# Altium PCB trackerPCB.PcbDoc (continued)
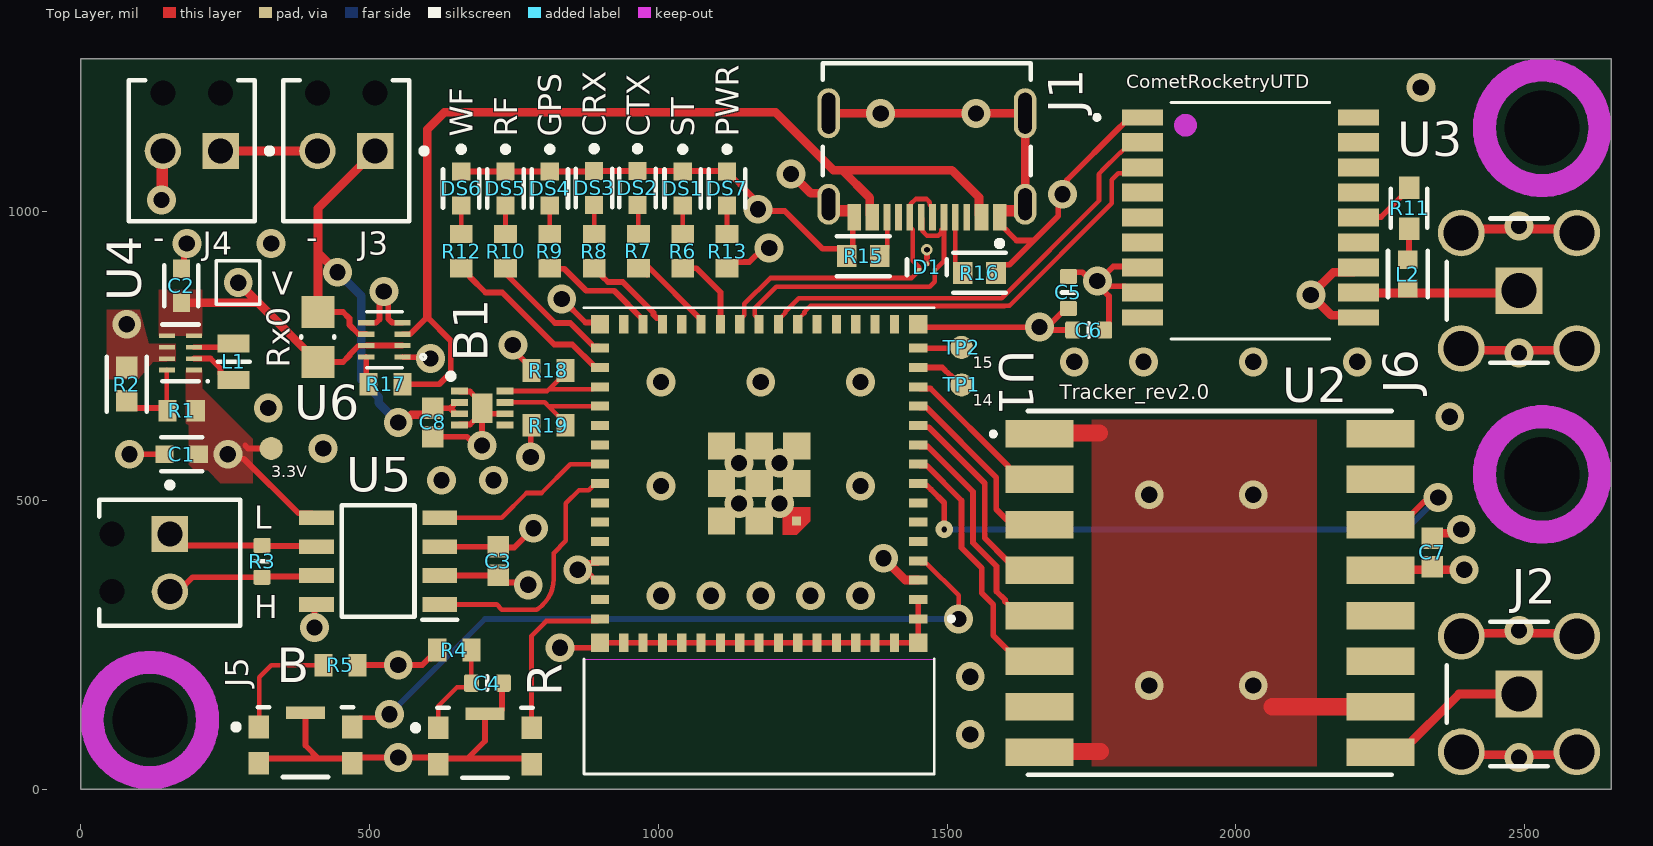
[diagram p0: Top Layer view]
## Footprints (in the part's own frame and the unit in brackets; to place one, negate y for a bottom-side part, rotate by r counter-clockwise, add the part's x,y. Pads: shape width x height; smd on the part's side, far side on the other; paste and mask are expansions set on the pad) (continued)
  rect 0.4x0.8 smd: 16(-5.95,-7) 17(-5.1,-7) 18(-4.25,-7) 19(-3.4,-7) 20(-2.55,-7) 21(-1.7,-7) 22(-0.85,-7) 23(0,-7) 24(0.85,-7) 25(1.7,-7) 26(2.55,-7) 27(3.4,-7) 28(4.25,-7) 29(5.1,-7) 30(5.95,-7) 46(5.95,7) 47(5.1,7) 48(4.25,7) 49(3.4,7) 50(2.55,7) 51(1.7,7) 52(0.85,7) 53(0,7) 54(-0.85,7) 55(-1.7,7) 56(-2.55,7) 57(-3.4,7) 58(-4.25,7) 59(-5.1,7) 60(-5.95,7)
  rect 1.2x1.2 smd: 61(0,0) 61_2(0,1.65) 61_3(1.65,1.65) 61_4(1.65,0) 61_5(1.65,-1.65) 61_6(0,-1.65) 61_7(-1.65,-1.65) 61_8(-1.65,0)
  rect 0.4x0.4 smd paste-1 mask+0: 61_1(-1.65,1.65)
  rect 0.8x0.8 smd: 62(-7,7) 63(-7,-7) 64(7,-7) 65(7,7)
  Top Layer region: -1.05,1.05 -2.25,1.05 -2.25,1.65 -1.65,2.25 -1.05,2.25
  Keep-Out Layer region: 7.7,7.725 -7.7,7.725 -7.7,12.775 7.7,12.775
  Keep-Out Layer region: 7.7,7.725 -7.7,7.725 -7.7,12.775 7.7,12.775
  silkscreen extent -8.55,-7.73 7.7,12.78, body extent -7.7,-7.71 7.7,12.79, height 2.55
XCVR_MAX-M10S-00B [mm]
  rect 1.8x0.7 smd paste-2: 1(-4.75,4.4) 9(-4.75,-4.4) 10(4.75,-4.4) 18(4.75,4.4)
  rect 1.8x0.8 smd paste-2: 2(-4.75,3.3) 3(-4.75,2.2) 4(-4.75,1.1) 5(-4.75,0) 6(-4.75,-1.1) 7(-4.75,-2.2) 8(-4.75,-3.3) 11(4.75,-3.3) 12(4.75,-2.2) 13(4.75,-1.1) 14(4.75,0) 15(4.75,1.1) 16(4.75,2.2) 17(4.75,3.3)
  Keep-Out Layer circle w0.5: c-2.85,4.05 r0.25
  silkscreen extent -6.85,-5.35 3.49,5.05, body extent -4.85,-5.35 4.85,5.05, height 2.7

## Part data
B R: library part CMP-2000-06516-3, "SWITCH TACTILE SPST-NO 0.05A 32V", Case/Package=SMD/SMT, Contact Current Rating=50mA, Contact Resistance=100mR, Insulation Resistance=1GR, Max Operating Temperature=85°C, Max Voltage Rating (DC)=32V, Min Operating Temperature=-40°C, Operating Force=3N, Package Quantity=7000, Power Rating=1W, Actuator Length=0.5mm, Actuator Type=Standard, Contact Material=Silver, Contact Plating=Silver, Current Rating=50mA, Depth=4.6mm, Illumination Type=Non-Illuminated, Lead Free="Lead Free", Length=4.6mm, Max Current Rating=50mA, Mechanical Life=150000Cycles, Mount="Surface Mount", Orientation=Straight, Packaging="Cut Tape", Radiation Hardening=No, REACH SVHC="No SVHC", Series=KMR2, Switch Function=Off-Mom, Switch Travel=0.25mm, Termination="Gull Wing", Throw Configuration=SPST, Voltage Rating (DC)=32V, Width=2.8mm
B1: library part CMP-013-000000-1, "3A 1-Cell/2-Cell Fuel Gauge with ModelGauge", Manufacturer_Name="Analog Devices", Mouser Part Number=700-MAX17048G+T10, Arrow Part Number=MAX17048G+T10, Arrow Price/Stock=https://www.arrow.com/en/products/max17048gt10/analog-devices?utm_currency=USD&region=nac, Datasheet Link=https://www.analog.com/MAX17048/datasheet, Design Item ID=MAX17048G+T10, Geometry.Height=0.8mm, Manufacturer_Part_Number=MAX17048G+T10, Mouser Price/Stock=https://www.mouser.co.uk/ProductDetail/Analog-Devices-Maxim-Integrated/MAX17048G%2bT10?qs=D7PJwyCwLAoGnnn8jEPRBQ%3D%3D, Source=MAX17048G+T10.SchLib
C1 C2: library part CMP-04427-000093-1, "CAP CER 47UF 6.3V X5R 0603 / 06036D476MAT2A", Capacitance=47uF, Case Code (Imperial)=0603, Case Code (Metric)=1608, Max Operating Temperature=85°C, Min Operating Temperature=-55°C, Tolerance=20%, Voltage Rating=6.3V, Case/Package=0603, Mount="Surface Mount", Packaging="Tape and Reel", RoHS Compliant=Yes
C3 C7 C8: library part CMP-001-00017-6, "Chip Capacitor, 100 nF, +/- 10%, 50 V, 0603 (1608 Metric)", Capacitor Type=Ceramic, Case/Package=0603, Max Operating Temperature=125°C, Min Operating Temperature=-55°C, Tolerance=10%, Voltage Rating=50V, Mounting Technology=SM, Pins=2, RoHS Compliant=True
C4 C5 C6: library part CMP-001-00075-4, "Chip Capacitor, 10µF +/-20%, 10V, 0603, Thickness 1 mm", Case/Package=0603, Max Operating Temperature=85°C, Min Operating Temperature=-55°C, Tolerance=10%, Voltage Rating=10V, Mounting Technology=SMT, Pins=2
D1: library part CMP-04989-000013-1, "TVS DIODE 3.6V 8.4V 3X2SON", Average Rectified Current=10A, Case/Package=TO-220-3, Clamping Voltage=8.4V, Max Operating Temperature=125°C, Max Reverse Voltage (DC)=100V, Min Breakdown Voltage=5.1V, Min Operating Temperature=-40°C, Peak Pulse Current=2.5A, Peak Pulse Power=20W, Power Line Protection=No, Resistor Type=Zener, Reverse Standoff Voltage=3.6V, Element Configuration="Common Cathode", Interface=USB, Mount="Through Hole", Number of Bidirectional Channels=2, Number of Channels=2, Number of Pins=3, Packaging=Rail/Tube, RoHS Compliant=Yes
DS1 DS2 DS3 DS4 DS5 DS6 DS7: library part CMP-007-00037-1, "Single Color LED, Yellow, Water Clear, 1.15mm", Case/Package=0603, Forward Current=30mA, Forward Voltage=2V, Max Operating Temperature=85°C, Min Operating Temperature=-55°C, Mounting Technology="Surface Mount", Pins=2
J1: library part CMP-04767-000028-2, "CONN RCP USB2.0 TYP C 24P SMD RA", Current Rating=1.25A, Max Operating Temperature=85°C, Min Operating Temperature=-40°C, Voltage Rating=30V, Contact Material="Gold, Nickel", Gender=Receptacle, Height=3.36mm, NexarPartId=117190526, Number of Contacts=16, USB Standard="USB 2.0"
J2 J6: library part CMP-2000-05487-1, "SMA Right-Angle PCB Jack Receptacle, Brass Body, Gold Plated, 50 Ohm, 5-Pin THD, RoHS, Tray", Manufacturer=Molex, Package Description="5-Pin Through Hole Device, Body 14.8 x 6.35 mm, Pitch 2.54 mm", Datasheet URL=http://www.molex.com/webdocs/datasheets/pdf/en-us/0731000114_RF_COAX_CONNECTORS.pdf, Datasheet Version=09/2016, Manufacturer URL=http://www.molex.com/, Mounting Technology=ThroughHole, Package Reference=731000114, Package URL=http://www.molex.com/pdm_docs/sd/731000114_sd.pdf
J3 J4 J5: library part CMP-2000-05299-1, "Male Header, Pitch 2.54 mm, 1 x 2 Position, Height 9 mm, Tail Length 3.5 mm", Colour=Green, Manufacturer="Phoenix Contact", Manufacturer part No.=1725656, Content=250pc(s), Datasheet URL=http://datasheet.octopart.com/1725656-Phoenix-Contact-datasheet-5302866.pdf, Datasheet Version=Apr-08, Industrial packaging=Yes, Manufacturer URL=http://www.phoenixcontact.com/, Number of Contacts=2, Pitch=2.54mm, Type=MPT0,5/2-2,54
L1: library part CMP-06042-017091-1, "FIXED IND 2.2UH 2100MA NONAUTO"
L2: library part CMP-06042-012021-1, "Multilayer type Inductor for Automotive 27nH ±5% 0.54Ω 500mA 0603 LQG18HH27NJ00D", Case/Package=0603, DC Resistance (DCR)=4.18mR, Package Quantity=4000, Inductance=27nH, Packaging="Tape and Reel", Termination=SMD/SMT
R1: library part CMP-2000-03441-1, "CRCW0603511KFKEA / Res Thick Film 0603 511K Ohm 1% 0.1W(1/10W) ±100ppm/C Pad SMD Automotive T/R", Manufacturer="Vishay Dale", Part Number=CRCW0603511KFKEA
R2: library part CMP-02407-006578-1, "CRCW060391K0FKEAHP / RES Thick Film, 91kΩ, 1%, 0.33W, 100ppm/°C, 0603", Case/Package=0603, Max Operating Temperature=155°C, Max Power Dissipation=250mW, Min Operating Temperature=-55°C, Package Quantity=5000, Resistance=91kR, Temperature Coefficient=100ppm/°C, Tolerance=1%, Composition="Thick Film", Contact Plating=Tin, Features="Automotive AEC-Q200", Height=0.022inch, Lead Free="Lead Free", Length=0.063inch, Mount="Surface Mount", Number of Terminations=2, Packaging="Tape and Reel", Power Rating=250mW, Termination=Wraparound, Width=0.033inch
R3: library part CMP-009-00176-3, "Chip Resistor, 120 Ohms, +/-5 %, 0.1 W, -55 to 155 degC, 0603", Case/Package=0603, Max Operating Temperature=155°C, Min Operating Temperature=-55°C, Power=100mW, Tolerance=5%, Pins=2
R4 R5 R17: library part CMP-009-00017-5, "Chip Resistor, 10 KOhm, +/- 1%, 01 W, -55 to 155 degC, 0603 (1608 Metric)", Case/Package=0603, Max Operating Temperature=155°C, Min Operating Temperature=-55°C, Power=100mW, Tolerance=1%, Voltage Rating=50V, Mounting Technology=SM, Pins=2, RoHS Compliant=True
R6 R7 R8 R9 R10 R12 R13: library part CMP-009-00014-5, "Chip Resistor, 1 KOhm, +/-1%, 0.1 W, -55 to 155 degC, 0603 (1608 Metric)", Case/Package=0603, Max Operating Temperature=155°C, Min Operating Temperature=-55°C, Power=100mW, Tolerance=1%, Voltage Rating=50V, Mounting Technology=SM, Pins=2, RoHS Compliant=True
R11: library part CMP-26527-002750-1, "RES 10 OHM 0.05% 1/10W 0603 RNCF0603AKT10R0", Case Code (Imperial)=0603, Case Code (Metric)=1608, Max Operating Temperature=155°C, Max Power Dissipation=100mW, Min Operating Temperature=-55°C, Resistance=10R, Resistor Type="Thin Film", Temperature Coefficient=10ppm/°C, Tolerance=0.05%, Case/Package=0603, Features="Moisture Resistant", Height=0.022inch, Length=0.063inch, Mount="Surface Mount", Number of Terminations=2, Packaging="Tape and Reel", RoHS Compliant=Yes, Width=0.031inch
R15 R16: library part CMP-02407-010205-1, "RES SMD 100 OHM 1% 1/8W 0603", Case/Package=0603, Max Operating Temperature=125°C, Min Operating Temperature=-55°C, Resistance=5.1kR, Temperature Coefficient=25ppm/°C, Tolerance=0.1%, Composition="Thin Film", Contact Plating=Tin, Height=450um, Lead Free="Lead Free", Length=1.55mm, Radiation Hardening=No, Width=850um
R18 R19: library part CMP-009-00031-5, "Chip Resistor, 4.7 KOhm, +/- 1%, 0.1 W, -55 to 155 degC, 0603 (1608 Metric)", Case/Package=0603, Max Operating Temperature=155°C, Min Operating Temperature=-55°C, Power=100mW, Tolerance=1%, Mounting Technology=SM, Pins=2, RoHS Compliant=True
Rx0: library part CMP-26527-000104-1, "RES 0 OHM JUMPER 1/2W 0805", Case Code (Imperial)=0805, Case Code (Metric)=2012, Max Operating Temperature=155°C, Min Operating Temperature=-55°C, Package Quantity=1, Resistance=0mR, Case/Package=0805, Height=0.026inch, Lead Free="Lead Free", Length=0.079inch, Mount="Surface Mount", Number of Terminations=2, Packaging="Tape and Reel", Radiation Hardening=No, RoHS Compliant=Yes, Termination=Wraparound, Width=0.049inch
TP1 TP2: library part Testpoint1
U1: library part CMP-003-000000-2, "SMD module, ESP32-S3FN8, 8 MB SPI flash, PCB antenna", Package=None, Availability=Unavailable, Component Type=Standard, Design Item ID=ESP32-S3-MINI-1-N8, MF="{'manufacturer': u'Espressif Systems'}", MP=ESP32-S3-MINI-1-N8, Pin Count=73, Price=None, RoHS=Compliant, Source=ESP32-S3-MINI-1-N8.SchLib
U2: library part CMP-00025-00003-3, "Rfm69hcw Wireless Transceiver 91", Case/Package=None, Availability=Unavailable, Component Type=Standard, Design Item ID=COM-13909, MP=COM-13909, Pins=16, Price=None, Source=COM-13909.SchLib
U3: library part CMP-007-000000-1, "Gnss / Gps Modules U-Blox M10 Gnss Module Rom, Tcxo, Lna, Saw Lcc, 9.7X10 Mm, 500 Pcs/Reel", Package=None, Availability=Unavailable, Component Type=Standard, Design Item ID=MAX-M10S-00B, MP=MAX-M10S-00B, Pin Count=18, Price=None, Source=MAX-M10S-00B.SchLib
U4: library part CMP-019-00050-1, "1.5-A output current, high-power-density buck-boost converter 8-SOT-5X3 -40 to 125"
U5: "Integrated Circuit", Manufacturer_Name="Texas Instruments", Mouser Part Number=595-TCAN3413DR, Arrow Part Number=TCAN3413DR, Arrow Price/Stock=https://www.arrow.com/en/products/tcan3413dr/texas-instruments?utm_currency=USD&region=nac, Datasheet Link=https://www.ti.com/lit/ds/symlink/tcan3413.pdf?ts=1704463166829&ref_url=https%253A%252F%252Fwww.ti.com%252Fproduct%252Fde-de%252FTCAN3413, Height=1.75mm, Manufacturer_Part_Number=TCAN3413DR, Mouser Price/Stock=https://www.mouser.co.uk/ProductDetail/Texas-Instruments/TCAN3413DR?qs=mELouGlnn3eIMT2B6sccyw%3D%3D
U6: library part CMP-004-00031-1, "1.6-V to 5.5-V, 40-mâ„", Manufacturer_Name="Texas Instruments", Copyright="Copyright (C) 2025 Ultra Librarian. All rights reserved.", Design Item ID=LM66200DRLR, Manufacturer_Part_Number=LM66200DRLR, RefDes=RefDes, Source=LM66200DRLR.SchLib, Type=Type

## Free pads (board coordinates)
  round 0 hole 129.92: 1(120,120) 1(2530,545) 1(2530,1145)
  round 40 smd: 16(330,590)

## Via types
v1: diameter 50, hole 28, Top Layer to Bottom Layer, 61 vias
v2: diameter 50, hole 28, Top Layer to Bottom Layer, tented both sides, 10 vias
v3: diameter 20, hole 10, Top Layer to Bottom Layer, 1 vias
v4: diameter 30, hole 10, Top Layer to Bottom Layer, 1 vias

## Nets (pads, with @x,y where several pads share a name; then routed paths per layer and width w, separated by ;. In a path a pad name is that pad's centre, name@x,y a point inside that pad or via, vN(x,y) a via of type N, cw(c..) or ccw(c..) an arc to the next point about the centre after c; other vN are vias at no path point)
+3.3: C1.1 C3.1 C5.2 C6.2 C7.1 pad.16 R1.2 R4.1 R5.2 R13.1 R18.2 R19.2 U1.3 U2.13 U3.7 U3.8 U4.1 U5.3 U5.5 | length 1323
  Top Layer w10: C1.1@199.61,584.92 C1.1 ; v2(255,580) 262.65,572.35 282.69,572.35 377.22,477.81 400.56,477.81 U5.5 ; 285,595 290,590 pad.16 ; R5.2 v1(550,215) 591.44,215 602.91,226.47 606.85,226.47 617.6,237.22 R4.1 ; U5.3@610.15,420.02 U5.3 722.54,420.02 C3.1 723.76,418.8 750.8,418.8 v1(784,452) ; v1(748.31,769.14) 748.31,761.1 780.47,728.94 R18.2 ; v1(779.18,575) 779.18,628.7 R19.2 ; R13.1@1129.75,912.69 1157.69,912.69 1182,937 v1(1192,937) ; C5.2 1717.44,895 1734.18,895 1749.18,880 v1(1760,880) ; C6.2 1780,802.44 1780,854.14 1767.47,866.67 v1@1767.47,872.53 ; U3.8 1818.31,860.08 1807.56,870.83 1769.17,870.83 v1@1767.47,872.53 ; U3.7 1836.38,905 1787.56,905 1762.56,880 v1(1760,880) ; U2.13 U2.13@2255.91,385 ; v1(1760,880) v1@1767.47,872.53
  Top Layer w15: v1(1390,400) 1427.54,362.46 1449.82,362.46 U1.3 ; U2.13@2255.91,385 2260.91,380 v1(2395,380)
+Batt: B1.2 B1.3 C8.1 J3.1 Rx0.2 U6.6 | length 918.6
  Top Layer w10: Rx0.2 454.35,826.31 465.35,815.3 465.35,804.04 481.05,788.35 494,788.35 U6.6 ; C8.1 640.01,659.61 ; B1.3 646.77,650.16 645.87,651.06 645.87,653.75 640.01,659.61 ; B1.2 646.77,669.84 645.87,668.94 645.87,665.46 640.01,659.61
  Top Layer w15: Rx0.2 411,925 ; v1@444.74,895 414.74,925 411,925 ; J3.1 411,1006 411,925 ; v1(550,635) 559.47,635 572.88,648.41 598.8,648.41 C8.1
  Bottom Layer w15: v1(445,895) 485.67,854.33 485.67,709.33 516.11,678.89 516.11,668.89 v1(550,635)
BM_SCL: B1.7 R19.1 U1.34 | length 210.9
  Top Layer w8: B1.7 803.62,669.84 810.76,662.7 R19.1@839.53,633.94 ; 811.33,663.27 U1.34 ; R19.1 R19.1@839.53,633.14
BM_SDA: B1.8 R18.1 U1.33 | length 211.9
  Top Layer w8: B1.8 807.99,689.53 810.99,692.53 ; R18.1 839.53,721.06 813.8,695.34 810.99,692.53 ; U1.33 891.14,696.73 886.94,692.53 810.99,692.53
BootSense: B.2 U1.4 | length 1263.9
  Top Layer w8: B.2 470,109.96 483.72,123.68 528.68,123.68 v1(535,130) ; U1.4 1454.07,391.68 1464.03,391.68 1520,335.7 v1(1520,295)
  Bottom Layer w10: v1(535,130) 700,295 v1(1520,295)
CANH: J5.2 R3.2 U5.7 | length 277
  Top Layer w10: J5.2 168.99,342.05 194.03,367.09 R3.2 315.72,368.55 418.64,368.55 U5.7@420.11,370.02
CANL: J5.1 R3.1 U5.6 | length 274.6
  Top Layer w10: J5.1 174.49,422.21 R3.1 315.35,421.11 419.01,421.11 U5.6@420.11,420.02
CANRXLED: R8.1 U1.28 | length 166.9
  Top Layer w10: R8.1@889.28,901.72 893.19,901.72 903.72,891.2 903.72,887.28 913.03,877.97 938.61,877.97 991.69,824.89 991.69,821.61 997.55,815.75 1004.41,815.75 1007.28,812.87 U1.28
CANTXLED: R7.1 U1.26 | length 158.3
  Top Layer w10: R7.1@965.71,901.47 969.65,901.47 R7.1@980.39,890.72 ; R7.1@981.39,905.69 1074.21,812.87 U1.26
ESP_EN: R.2 U1.45 | length 289.7
  Top Layer w8: R.2 780.71,265.71 806.28,291.28 895.14,291.28 U1.45
GND: B1.1 B1.4 B1.6 B1.9 B.3 B.4 B.5 C1.2 C2.2 C3.2 C4.1 C5.1 C6.1 C7.2 C8.2 D1.1 DS1.1 DS2.1 DS3.1 DS4.1 DS5.1 DS6.1 DS7.1 J1.1 J1.2 J1.3 J1.4 J1.A1-B12 J1.B1-A12 J2.2 J2.3 J2.4 J2.5 J4.2 J6.2 J6.3 J6.4 J6.5 R2.1 R15.2 R16.2 R.3 R.4 R.5 U1.1 U1.2 U1.42 U1.43 U1.46 U1.47 U1.48 U1.49 U1.50 U1.51 U1.52 U1.53 U1.54 U1.55 U1.56 U1.57 U1.58 U1.59 U1.60 U1.61 U1.61_1 U1.61_2 U1.61_3 U1.61_4 U1.61_5 U1.61_6 U1.61_7 U1.61_8 U1.62 U1.63 U1.64 U1.65 U2.1 U2.8 U2.10 U3.1 U3.10 U3.12 U4.6 U4.7 U5.2 U5.8 U6.1 U6.4 U6.5 | length 6414.6
  Top Layer w10: v1(85,580) C1.2 ; C2.2 179.26,905.95 179.26,940.26 v1(184,945) ; B.3@309.29,53.5 411.5,53.5 ; B.5 389.29,75.71 411.5,53.5 ; v1(405,280) 405,313.32 411.69,320.02 U5.8@420.11,320.02 ; U6.5 511.49,807.53 517.35,813.39 517.35,854.35 v1(525,862) 532.65,854.35 532.65,814.35 539.47,807.53 U6.4 ; U6.1 558,747.97 604.04,747.97 v1(606,746) ; C8.2 668.78,610.39 684.18,595 v1(695,595) B1.9@695,652.13 ; U5.2@610.15,370.02 U5.2 722.58,370.02 C3.2 735.38,357.96 771.04,357.96 v1(775,354) ; B1.4 656.54,631.38 674.25,631.38 B1.9@695,652.13 ; B1.1 656.54,688.62 674.25,688.62 695,667.87 B1.9 ; DS6.1@659,1069.55 DS5.1 DS4.1 DS3.1@894,1069.55 ; C4.1 729.46,181.56 729.46,137.93 722.64,131.1 R.5 700,83.5 670,53.5 ; B1.6 704.84,650.16 B1.9 ; R.4@780.71,53.5 670,53.5 ; v1(830,245) 890.2,245 U1.65 U1.46 U1.47 U1.48 U1.49 U1.50 U1.51 U1.52 U1.53 U1.54 U1.55 U1.56 U1.57 U1.58 U1.59 U1.60 U1.62 ; v1(833,849) 874.13,807.87 896.14,807.87 U1.64 ; DS3.1@894,1070.53 DS2.1 DS7.1@1119,1070.53 ; U1.43 891.14,362.09 881.26,371.96 868.72,371.96 v1(860.68,380) 866.37,380 878.04,391.68 895.14,391.68 U1.42 ; DS7.1 1162.05,1026.5 v1@1162.05,1000.73 ; v1@1169.71,993.07 v1@1171.43,993.07 ; v1(1172.71,1004.07) 1175.6,1001.18 1218.8,1001.18 1284.42,935.56 1314.28,935.56 R15.2@1314.28,936.94 ; J1.4 J1.4@1295.2,1170 ; R15.2 1336.81,933.53 1336.81,987.95 J1.B1-A12 ; U1.2 U1.1 U1.62 ; U1.63 1455.2,800 v1(1660,800) ; U1.62@1459.02,245 U1.62 ; D1.1 v3(1465,934) ; R16.2 1584.72,895.94 1596.72,907.94 1607.94,907.94 1650,950 ; J1.A1-B12 1590.98,979.33 1620.32,950 1650,950 ; J1.3@1635.08,1154.6 J1.3 ; C5.1@1706,830.88 1704.04,830.88 1680.81,807.65 1667.65,807.65 v1(1660,800) ; C6.1 1665,795 v1(1660,800) ; U3.1 1816.34,1163.23 1799.99,1146.88 1799.63,1146.88 1707.65,1054.91 1707.65,1037.65 v1(1700,1030) 1692.35,1022.35 1692.35,992.35 1650,950 ; 411.5,53.5 470.71,53.5 472.2,55 v1(550,55) 617.8,55 619.29,53.5 670,53.5 ; B1.9@695,652.13 B1.9
  Top Layer w15: v1(1230,1065) 1230.7,1065 1263.94,1031.76 1283.66,1031.76 1294.92,1020.51 J1.2 ; J1.4@1295.2,1170 v1(1385,1170) v1(1550,1170) J1.3@1634.8,1170 ; J1.1 1635.04,1012.83 1635.04,1094.96 1635,1095 1635.04,1095.04 1635.04,1170.24 J1.3 ; U3.10 2208.14,820.64 2164.84,820.64 v1(2129.58,855.9) 2168.68,895 2175.29,895 2175.43,895.14 2203.76,895.14 U3.12 ; C7.2 2348.7,443.3 2383.3,443.3 v1(2390,450) ; J2.5 2395,60 2485,60 v1(2490,55) 2495,60 2585,60 J2.2 ; J2.4 2395,270 2485,270 v1(2490,275) 2495,270 2585,270 J2.3 ; J6.5@2390,765 2395,760 2485,760 v1(2490,755) 2495,760 2585,760 J6.2@2590,765 ; J6.4@2390,965 2395,970 2485,970 v1(2490,975) 2495,970 2585,970 J6.3@2590,965
  Top Layer w20: v1(140,1020) 141.26,1021.26 141.26,1103.74 J4.2 ; J1.2@1294.92,1010.42 1303.87,1001.48 1337.2,1001.48 1339.02,999.67 J1.B1-A12 ; J1.A1-B12 1590.98,999.67 1592.8,1001.48 1626.13,1001.48 1635.08,1010.42 J1.1
  Top Layer w30: U2.8@1627.27,65.62 1765.62,65.62 ; U2.1@1627.27,616.8 1763.2,616.8 ; 2062.58,143.15 U2.10@2225.28,143.15
  other v1: 1540,95 1540,195 1005,335 1091.25,335 1177.5,335 1263.75,335 1350,335 1005,525 1350,525 625,535 715,535 420,590 2370,645 325,660 1005,705 1177.5,705 1350,705 1720,740 1840,740 2030,740 2210,740 330,945 2320,1215
  other v2: 1850,180 2030,180 1140,495 1210,495 1850,510 2030,510 1140,565 1210,565 80,805
GPS_RX: U1.21 U3.3 | length 729.1
  Top Layer w8: U1.21 1241.54,812.87 1253.13,824.46 1253.13,826.55 1263.27,836.69 1599.31,836.69 1608.11,837.48 1785,1014.37 1785,1055 1796.23,1066.23 1827.71,1066.23 U3.3@1831.49,1070
GPS_TX: U1.22 U3.2 | length 793.5
  Top Layer w8: U1.22 1208.07,812.87 1219.66,824.46 1219.66,826.55 1243.11,850 1594.25,850 1762.87,1018.63 1762.87,1064.95 1767.9,1070.43 1799.22,1101.75 1800.13,1101.75 1818.31,1119.92 U3.2
GPSTXLED: R9.1 U1.29 | length 219.1
  Top Layer w10: R9.1@803,901 837.24,901 875.26,862.97 923.72,862.97 973.82,812.87 U1.29 ; R9.1 R9.1@816.29,901.94
NetBOOT1_1: B.1 R5.1 | length 197.6
  Top Layer w8: B.1@309.29,116.5 309.29,194.29 330,215 R5.1
NetC4_2: C4.2 R4.2 R.1 | length 168.8
  Top Layer w8: R.1 619.29,144.29 651.64,176.64 669.43,176.64 C4.2 R4.2@676.64,241.15
NetDS1_2: DS1.2 R6.2 | length 49.5
  Top Layer w8: DS1.2 1042.39,1010.43 R6.2
NetDS2_2: DS2.2 R7.2 | length 51.7
  Top Layer w8: DS2.2 965.71,1009.76 R7.2@965.71,960.53
NetDS3_2: DS3.2 R8.2 | length 51
  Top Layer w8: DS3.2 889.03,1011.41 R8.2@889.03,960.53
NetDS4_2: DS4.2 R9.2 | length 49.5
  Top Layer w8: DS4.2 812.35,1010.43 R9.2
NetDS5_2: DS5.2 R10.2 | length 49.5
  Top Layer w8: DS5.2 735.68,1010.43 R10.2
NetDS6_2: DS6.2 R12.2 | length 49.5
  Top Layer w8: DS6.2 659,1010.43 R12.2
NetDS7_2: DS7.2 R13.2 | length 49.5
  Top Layer w8: DS7.2 1119.06,1010.43 R13.2
NetJ1_A5: J1.A5 R16.1 | length 102.4
  Top Layer w8: J1.A5 1514.21,913.63 1514.28,913.56 1514.28,907 R16.1@1527.86,893.42
NetJ1_B5: J1.B5 R15.1 | length 70.3
  Top Layer w8: R15.1@1383.72,925 1396.1,937.39 J1.B5
NetJ2_1: J2.1 U2.9 | length 281.4
  Top Layer w15.45: U2.9 2284.41,64.41 2285,65 2286.3,65 2386.3,165 J2.1
NetJ3_2: J3.2 J4.1 | length 167.5
  Top Layer w15: J4.1 J3.2
NetJ6_1: J6.1 L2.1 U3.11 | length 279.5
  Top Layer w15.45: U3.11@2212.01,859.18 2486.05,859.18 J6.1
NetL1_1: L1.1 U4.3 | length 71.3
  Top Layer w10: U4.3 258.72,765.22 L1.1
NetL1_2: L1.2 U4.2 | length 89.3
  Top Layer w10: U4.2 225.12,745.54 242.44,728.21 242.44,719.25 253.19,708.5 L1.2
NetL2_2: L2.2 R11.1 | length 49.3
  Top Layer w10: L2.2@2299.68,926.94 R11.1@2299.68,976.28
NetR1_1: R1.1 R2.2 U4.8 | length 141.9
  Top Layer w8: R1.1@149.49,660 U4.8
  Top Layer w10: R2.2 92.76,660 R1.1@149.49,660 ; R1.1@149.49,655.91 R1.1
NetR11_2: R11.2 U3.14 | length 108
  Top Layer w10: U3.14 2212.91,990.9 2251.12,990.9 R11.2@2299.58,1039.36
NetR17_2: R17.2 U6.8 | length 49.1
  Top Layer w10: U6.8 494.5,704.97 R17.2
NetTP1_1: TP1.T1 U1.14 | length 91.4
  Top Layer w10: U1.14 1489.8,730.2 1491.52,730.2 1493.79,727.93 1496.72,725 TP1.T1 TP1.T1@1530,700
NetTP2_1: TP2.T1 U1.15 | length 83.5
  Top Layer w10: U1.15 1483.64,763.66 TP2.T1@1533.66,763.66
RFM_CS: U1.10 U2.5 | length 411.1
  Top Layer w10: U1.10 1453.07,593.46 1466.54,593.46 1545,515 1545,426.72 1585.67,386.05 1585.67,342.47 1600,328.14 1600,324.92 1624.29,300.63 U2.5
RFM_IRQ: U1.8 U2.14 | length 1101.6
  Top Layer w10: U1.8 1453.07,526.54 1464.44,526.54 1472.16,518.82 1495,495.98 v4(1495,450) ; U2.14 2285.71,458.11 2324.94,497.35 2342.35,497.35 v1(2350,505)
  Bottom Layer w10: v4(1495,450) 2295,450 v1(2350,505)
RFM_MISO: U1.13 U2.2 | length 278
  Top Layer w10: U1.13 1453.07,693.86 1471.14,693.86 1605.67,559.33 1605.67,555.47 1624.29,536.85 U2.2
RFM_MOSI: U1.12 U2.3 | length 269.1
  Top Layer w10: U1.12 1453.07,660.39 1464.61,660.39 1585,540 1585,485 U2.3@1605,465
RFM_RESET: U1.9 U2.6 | length 455.5
  Top Layer w10: U1.9 1453.07,560 1465,560 1525,500 1525,418.28 1560,383.28 1560,339.85 1580,319.85 1580,266.18 1624.29,221.89 U2.6
RFM_SCK: U1.11 U2.4 | length 307.7
  Top Layer w10: U1.11 1453.07,626.93 1468.07,626.93 1565,530 1565,435 U2.4@1605,395
RFMTXLED: R10.1 U1.31 | length 215.4
  Top Layer w10: R10.1@736.68,891.83 821.5,807 847.8,807 888.27,766.54 896.14,766.54 U1.31
StatusLED: R6.1 U1.25 | length 138
  Top Layer w10: R6.1 1046.32,901.94 1066.32,901.94 1107.68,860.59 U1.25
TWAI_RX: U1.37 U5.4 | length 327.3
  Top Layer w8: U5.4@610.15,470.02 729.02,470.02 772,513 798,513 847.87,562.87 U1.37
TWAI_TX: U1.38 U5.1 | length 459.3
  Top Layer w8: U5.1@610.15,320.02 720.27,320.02 729.28,311 787.28,311 ccw(c787.24,319) 791.82,312.44 ccw(c754.37,365.6) 819,372.73 819,373.16 819,409 840,430 840,495 862.82,517.82 879.55,517.82 891.14,529.41 U1.38
USB_5V: J1.A4-B9 J1.B4-A9 R17.1 U6.3 | length 1752.9
  Top Layer w10: U6.3 570.45,787.85 600,817.39 641,776.39 641,721 621,701 R17.1
  Top Layer w15: 600,817.39 600,1142 630,1172 1203,1172 1303.12,1071.88 1318.12,1071.88 ; J1.B4-A9 1366.2,994.47 1366.2,1023.8 1318.12,1071.88 ; J1.A4-B9 1555.18,994.47 1555.18,1024.82 1508.12,1071.88 1318.12,1071.88
USB_D_+: D1.2 J1.A6 J1.B6 U1.24 | length 554.8
  Top Layer w8: U1.24 1141.14,812.87 1148.87,820.61 1148.87,840.2 1193.67,885 1438.43,885 D1.2 1451.61,903.59 1440.25,914.95 1440.25,968.65 1435.47,973.43 J1.B6 ; J1.B6@1435.42,990.11 1437.38,992.06 1437.38,1013.65 1445.52,1021.8 1464.79,1021.8 1470.06,1016.52 1470.06,1011.67 1474.84,1006.89 J1.A6
USB_D_-: D1.3 J1.A7 J1.B7 U1.23 | length 550.3
  Top Layer w8: U1.23 1174.61,812.87 1166.87,820.61 1166.87,832.75 1204.13,870 1470,870 1478.39,878.39 D1.3@1478.39,894.53 ; J1.A7 1457.06,988.25 1457.06,966.67 1465.21,958.52 1484.48,958.52 1489.75,963.79 1489.75,968.65 J1.B7@1494.53,973.43 ; D1.3 1494.53,914.33 J1.B7@1494.53,973.43 ; J1.B7 J1.B7@1494.53,973.43
VCC: C2.1 Rx0.1 U4.4 U4.5 U6.2 U6.7 | length 487.2
  Top Layer w10: Rx0.1 454.35,739.69 465.35,750.7 465.35,751.96 481.05,767.65 494,767.65 U6.7 U6.2
  Top Layer w15: C2.1 307.76,842.15 ; v1(273,877) 273,876.91 307.76,842.15 ; Rx0.1 410.21,739.69 307.76,842.15
WIFIRXLED: R12.1 U1.32 | length 313.5
  Top Layer w10: R12.1 662.94,901.94 673.69,891.2 673.69,887.26 700.94,860 730,860 820,770 851.34,770 888.27,733.07 896.14,733.07 U1.32
pads on no net: B1.5 J1.A8 J1.B8 J3.MH1 J3.MH2 J4.MH1 J4.MH2 J5.MH1 J5.MH2 U1.5 U1.6 U1.7 U1.16 U1.17 U1.18 U1.19 U1.20 U1.27 U1.30 U1.35 U1.36 U1.39 U1.40 U1.41 U1.44 U2.7 U2.11 U2.12 U2.15 U2.16 U3.4 U3.5 U3.6 U3.9 U3.13 U3.15 U3.16 U3.17 U3.18

## Polygon pours and split planes (outlines as drawn)
GND on Top Layer "NONET_L-01_P-001" (solid, pour order 2): 1750,40 1750,640 2140,640 2140,40
+3.3 on Top Layer "NONET_L-01_P-001" (solid, pour order 7): 182,725.85 182,634 187,629 187,562 197,552 220,552 242,530 298,530 298,607 211,694 211,725.85
VCC on Top Layer "NONET_L-01_P-001" (solid, pour order 5): 135,785 211,785 211,865 135,865
GND on Top Layer "NONET_L-01_P-001" (solid, pour order 4): 45,710 45,830 102.91,830 118,771 165,771 165,740 125.93,740 100,710
no net on Top Overlay "NONET_L-01_P-001" (none): 235,915 310,915 310,840 235,840
+3.3 on Power "NONET_L-01_P-001" (solid, pour order 1): 0,1265 2650,1265 2650,0 0,0
GND on Ground "NONET_L-01_P-001" (solid, pour order 0): 0,1265 2650,1265 2650,0 0,0
GND on Bottom Layer "NONET_L-01_P-001" (solid, pour order 3): 0,1265 2650,1265 2650,5 2645,0 0,0

## Keep-outs
Keep-Out Layer:
  circle w40: c2530,1145 r100
  circle w40: c2530,545 r100
  circle w40: c120,120 r100

## Silkscreen, mask and mechanical layers (free items; w line width, h text height)
Top Overlay:
  text "CometRocketryUTD" at 1810,1206.11 h40
  text "WF" at 679,1130 h40 r90
  text "RF" at 755.67,1130 h40 r90
  text "GPS" at 832.33,1130 h40 r90
  text "CRX" at 909,1130 h40 r90
  text "CTX" at 985.67,1130 h40 r90
  text "ST" at 1062.33,1130 h40 r90
  text "PWR" at 1139,1130 h40 r90
  text "-" at 126,936.01 h40
  text "-" at 391,936.01 h40
  text "V" at 331,856 h40
  text "15" at 1544,729 h20
  text "Tracker_rev2.0" at 1695,675 h25
  text "14" at 1544,664 h20
  text "3.3V" at 330,540 h20
  text "L" at 301,451 h40
  text "H" at 301,296 h40
Bottom Overlay:
  drawing of 30 lines, arcs and shapes, not listed